# Allegro board RK_EVB7_RK3588_LP4XD200P232SD8_V11_20230111YWQ.brd (continued)
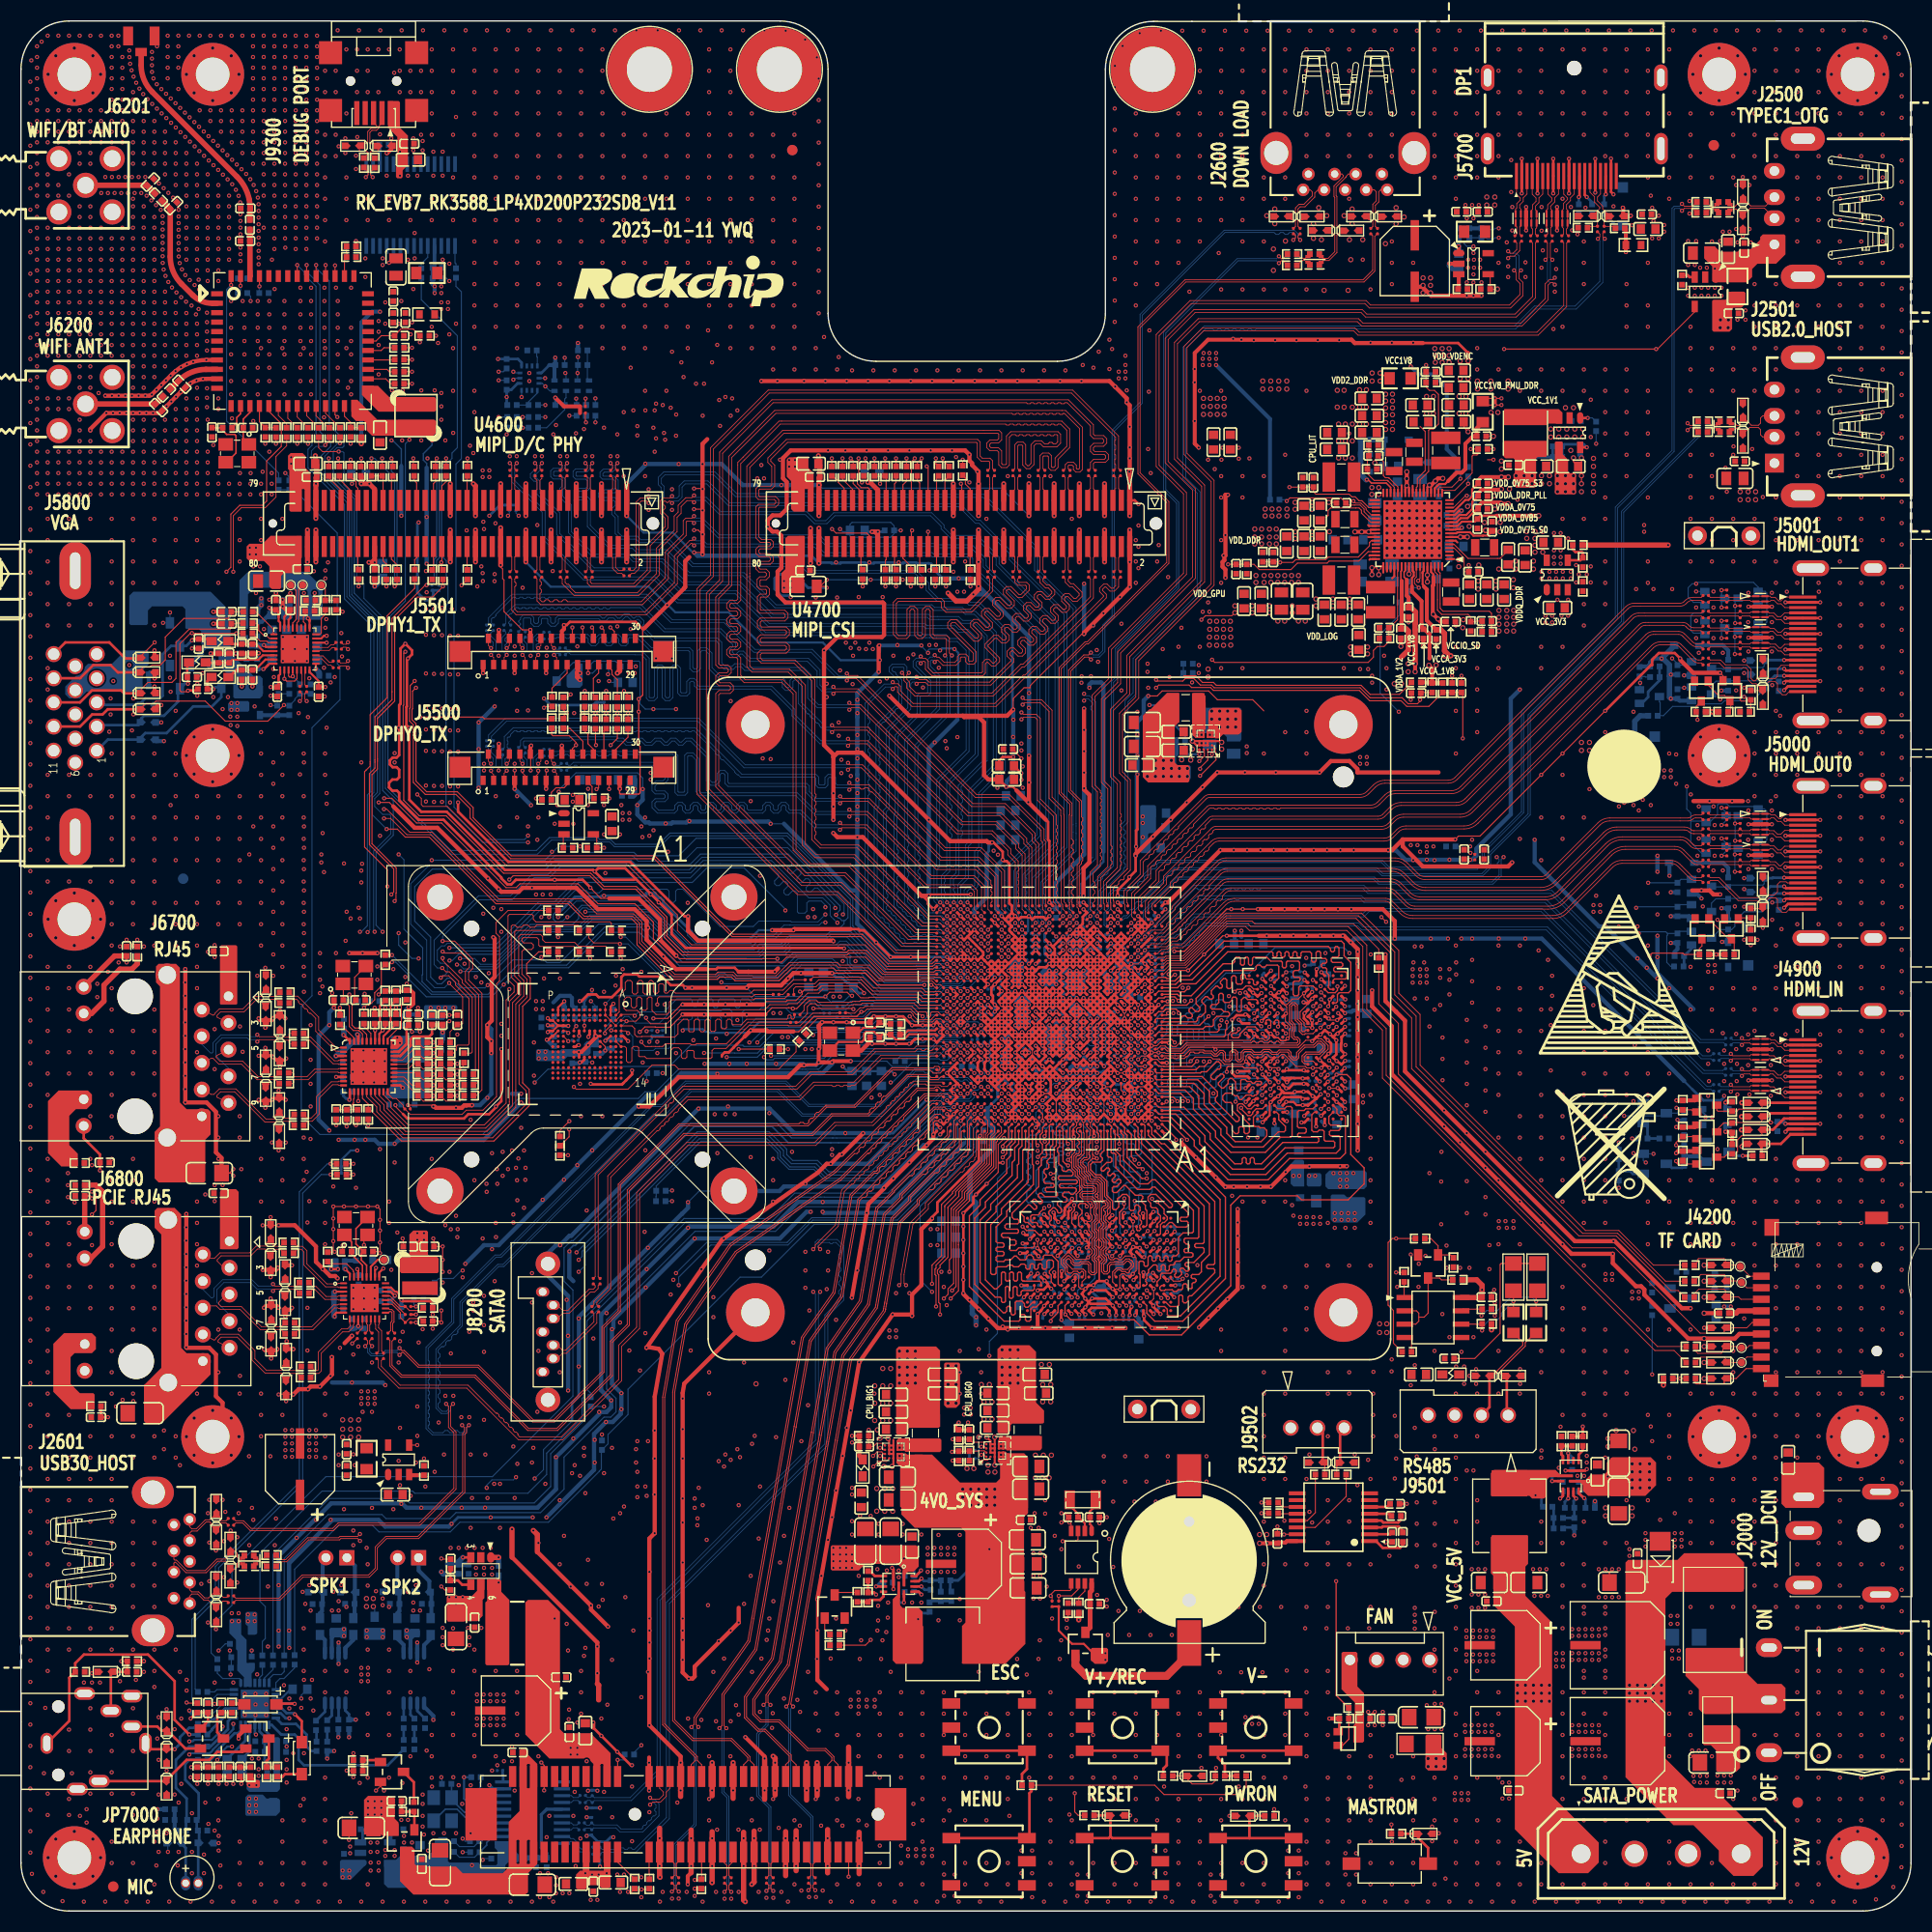
[diagram p0: board, top side]
## Routing (per net, layer and track width the routed paths; a pad name or vN(x,y) marks a point on that pad's centre or on a via; arc(x,y) is an arc through that point) (continued)
  BOTTOM w0.254: v1(85.75,31.66) 85.98,31.43 86.58,31.43 R2008.1 R2005.2 R2006.2
N17721032: length 4.1
  TOP w0.254: U2000.12 85.22,31.91 85.71,32.39 v1(85.71,32.43)
  BOTTOM w0.254: v1(85.71,32.43) 85.71,32.39 85.23,31.92 C2015.1 R2007.2 R2003.1
N17721054: length 8
  TOP w0.254: v1(85.75,30.14) 85.75,30.15 85.5,30.41 U2000.9 ; v1(81.43,30.14) 81.24,30.34 R2010.1 R2009.1
  L6-S2 w0.381: v1(85.75,30.14) 85.62,30.01 81.56,30.01 v1(81.43,30.14)
  BOTTOM w0.254: v1(85.75,30.14) 85.5,30.39 C2017.1
N17721064: length 1.7
  TOP w0.254: U2000.3 81.32,31.91 80.86,32.37 R2009.2
N17721133: length 1.5
  TOP w0.254: U2000.8 v1(84.09,29.38)
  BOTTOM w0.254: v1(84.09,29.38) 83.52,29.38 R2002.1
N17721155: length 1.1
  BOTTOM w0.254: R2002.2 84.48,28.42 C2008.1
N17758514: length 3.4
  TOP w0.203: U2301.D4 U2301.D3 U2301.E3 ; U2301.D4 U2301.E4 ; U2301.D4 83.48,44.76 83.59,44.87 ; U2301.E3 U2301.E4 ; U2301.E3 84.3,43.93 ; U2301.E4 84.32,44.33 ; U2301.E4 83.88,44.66
N17758921: length 3
  TOP w0.203: U2300.D4 93.14,44.76 ; U2300.D4 U2300.E4 ; U2300.D4 U2300.D3 U2300.E3 ; U2300.E3 U2300.E4 ; U2300.E3 93.82,44.06 ; U2300.E4 93.54,44.78 ; U2300.E4 93.97,44.46
N17759951: length 3.4
  TOP w0.203: U2303.E4 112.23,112.47 112.32,112.56 ; U2303.E4 U2303.D4 ; U2303.E4 111.82,112.22 111.79,112.18 ; U2303.E4 U2303.E3 ; 111.66,112.05 111.89,111.82 U2303.D4 ; U2303.D4 U2303.D3 U2303.E3 ; U2303.E3 112.63,112.51
N17830134: length 2.6
  TOP w0.104: TP5800.1 28.98,125.9 R5807.1 R5809.1
N17854631: length 2.7
  TOP w0.091: C8109.2 71.22,3.38 71.22,4.53 70.82,4.94 U8100.B23
N17854639: length 2.7
  TOP w0.091: C8110.2 71.42,3.38 71.42,4.5 71.82,4.91 U8100.B24
N17854686: length 2.7
  TOP w0.091: C8111.2 75.22,3.38 75.22,4.47 74.82,4.87 U8100.B27
N17854696: length 2.7
  TOP w0.091: C8112.2 75.42,3.38 75.42,4.44 75.82,4.84 U8100.B28
N17998442: length 3.4
  TOP w0.104: R5008.2 v1(163.22,100.62) ; R5007.2 v1(163.22,98.98)
  BOTTOM w0.104: v1(163.22,98.98) 163.22,100.62 v1(163.22,100.62) 163.22,100.89 Q5003.3
N17998526: length 3
  TOP w0.104: v1(161.95,105.07) R5010.2 ; v1(161.95,103.42) R5009.2
  BOTTOM w0.104: v1(161.95,103.42) 162.39,103.86 Q5004.3 162.39,104.63 v1(161.95,105.07)
N17998528: length 3.5
  TOP w0.104: R5011.2 v1(163.25,101.92) ; R5012.2 v1(163.24,103.57)
  BOTTOM w0.104: Q5005.3 163.24,104.01 v1(163.24,103.57) 163.25,103.56 v1(163.25,101.92)
N17998530: length 3
  TOP w0.104: v1(161.95,100.5) R5013.2 ; v1(161.95,102.14) R5014.2
  BOTTOM w0.104: v1(161.95,100.5) 162.39,100.94 Q5006.3 162.39,101.71 v1(161.95,102.14)
N18004313: length 3.4
  TOP w0.104: R5028.2 v1(163.22,121.35) ; R5027.2 v1(163.22,119.7)
  BOTTOM w0.104: Q5009.3 163.22,121.62 v1(163.22,121.35) 163.22,121.34 v1(163.22,119.7)
N18004325: length 2.9
  TOP w0.104: R5029.2 v1(161.95,124.15) ; R5030.2 v1(161.95,125.79)
  BOTTOM w0.104: v1(161.95,125.79) 161.95,125.32 Q5010.3 161.95,124.7 v1(161.95,124.15)
N18004327: length 3.5
  TOP w0.104: R5032.2 v1(163.24,124.29) ; R5031.2 v1(163.25,122.65)
  BOTTOM w0.104: Q5011.3 163.24,124.74 v1(163.24,124.29) 163.25,124.29 v1(163.25,122.65)
N18004333: length 2.9
  TOP w0.104: R5034.2 v1(161.95,122.87) ; R5033.2 v1(161.95,121.23)
  BOTTOM w0.104: v1(161.95,122.87) 161.95,122.53 Q5012.3 161.95,121.9 v1(161.95,121.23)
N18031326: length 4.9
  TOP w0.104: U6700.31 34.92,83.07 35.84,83.99 36.12,83.99 36.22,84.09 36.22,86.28 R6720.1
N18110066: length 0.9
  TOP w0.254: U1000.AF20 v1(95.99,90.2)
  BOTTOM w0.254: v1(95.99,90.2) 95.79,90.41 C1600.1
N18110122: length 1
  TOP w0.254: U1000.AF19 v1(96.64,90.2)
  BOTTOM w0.254: v1(96.64,90.2) 96.8,90.2 C1608.1
N18169701: length 21.7
  TOP w0.104: U6200.50 v1(20.01,154.85)
  BOTTOM w0.104: v1(20.01,154.85) 19.58,154.43 19.58,141.9 24.54,136.95 R6230.1
N18169749: length 5.7
  TOP w0.152: C6204.1 18.2,141.26 R6200.1 19.2,141.01 19.58,140.63 20.35,140.63 20.47,140.5 20.47,138.85 19.6,137.98 Y6200.3
N18169751: length 4.1
  TOP w0.152: U6200.14 21.81,142.73 21.17,142.08 C6207.1 21.17,140.21 Y6200.1
N18169794: length 2.4
  TOP w0.152: R6200.2 20.55,141.71 20.55,142.23 20.91,142.59 U6200.13
N18176299: length 1.6
  TOP w0.104: U6200.47 v1(22.71,154.73)
  BOTTOM w0.104: R6204.1 22.69,154.71 v1(22.71,154.73)
N18262694: length 1.9
  BOTTOM w0.076: R8122.1 53.05,10.52 52.6,10.52 52.41,10.34 U8102.14
N18262695: length 1.9
  BOTTOM w0.076: R8123.1 53.05,10.8 52.6,10.8 52.41,10.99 U8102.13
N18396694: length 2.4
  TOP w0.254: v1(149.21,142.19) U2302.1
  BOTTOM w0.104: C2329.1 148.85,142.19 v1(149.21,142.19) 149.66,142.19 R2304.2
N18396710: length 4.2
  TOP w0.254: v1(149.12,139.39) U2302.5
  BOTTOM w0.254: C2320.2 R2305.2 146.98,139.68 R2307.1 148.84,139.68 v1(149.12,139.39)
N18397975: length 3.6
  TOP w0.203: Y2400.1 99.87,38.63 100.68,37.82 C2402.1 100.74,37.51 101.32,36.93 U2400.2
N18397988: length 3.1
  TOP w0.104: U2400.7 101.32,30.46 100.74,29.89 R2410.1 R2400.1
N18397997: length 3.3
  TOP w0.203: U2400.1 101.97,36.67 101.81,36.82 C2400.1 101.81,38.07 102.37,38.63 Y2400.2
N18398011: length 14.1
  TOP w0.762: J2400.1 111.25,24.53 109.12,22.39 101.44,22.39 100.42,23.41 D2400.1
N18441687: length 1.7
  BOTTOM w0.254: R2102.1 144.81,38.64 C2103.2 v1(144.24,39.6)
N18441691: length 2.1
  BOTTOM w0.254: 145.97,37.42 C2105.1 ; 145.97,37.42 145.97,38.37 R2102.2 ; 145.97,37.42 R2104.1
N18441705: length 3.9
  TOP w0.254: U2100.11 147.85,39.54 148.1,39.28 v1(148.11,39.28)
  BOTTOM w0.254: R2104.2 R2103.2 R2106.1 147.87,38.46 147.87,39.05 v1(148.11,39.28)
N18441762: length 5.1
  TOP w0.254: U2100.12 148.35,39.81 148.84,39.32 v1(148.88,39.32)
  BOTTOM w0.254: R2139.2 149,39.21 v1(148.88,39.32) 148.84,39.32 148.36,39.8 C2111.1 149.32,39.98 R2105.1 150.59,40.03 R2101.1
N18441770: length 13.5
  TOP w0.254: R2108.1 R2107.1 v1(148.74,46.14) ; U2100.9 146.85,39.54 146.6,39.28 v1(146.58,39.28)
  L3-POWER1 w0.762: v1(148.74,46.14) 147.85,46.14 145.69,43.98 145.69,42.84 144.93,42.08 144.93,40.55 146.2,39.28 v1(146.58,39.28)
  BOTTOM w0.254: v1(146.58,39.28) 146.84,39.54 C2113.1
N18441780: length 1.6
  TOP w0.254: R2107.2 148.74,43.86 148.35,43.46 U2100.3
N18441788: length 2.5
  TOP w0.254: R2108.2 R2109.1 146.71,43.47 146.85,43.34 U2100.6
N18441798: length 1.5
  TOP w0.254: U2100.8 v1(145.82,40.94)
  BOTTOM w0.254: R2100.1 145.82,41.51 v1(145.82,40.94)
N18441806: length 1.1
  BOTTOM w0.254: C2103.1 144.86,40.55 R2100.2
N18556447: length 1.2
  TOP w0.089: U1000.AL14 100.22,93.78 v1(100.54,94.1)
  BOTTOM w0.089: TP1400.1 101.01,93.64 v1(100.54,94.1)
N18995711: length 1.4
  TOP w0.381: R4917.1 162.41,77.07 v1(162.33,77)
  BOTTOM w0.381: D4901.2 162.33,76.55 v1(162.33,77)
N19100594: length 1.3
  TOP w0.084: R2602.2 121.97,157.2 122.27,157.2 122.45,157.02 L2600.1
N19100602: length 1.3
  TOP w0.084: L2600.3 122.5,157.57 122.33,157.4 121.91,157.4 R2605.2
N19136960: length 19.2
  TOP w0.089: U1000.N30 89.82,82.08 v1(90.14,81.75)
  TOP w0.104: R1107.1 v1(73.05,82.08)
  L6-S2 w0.086: v1(90.14,81.75) 89.95,81.75 89.63,82.08 87.79,82.08
  L6-S2 w0.089: 86.42,82.08 86.42,82.08 87.79,82.08
  L6-S2 w0.104: 86.42,82.08 84.48,82.08 83.59,82.97 80.89,82.97 80.4,82.48 73.45,82.48 v1(73.05,82.08)
N19283910: length 3.5
  TOP w0.254: R2311.2 147.78,129.68 148.04,129.42 148.64,129.42 148.74,129.33 R2350.1 148.5,128.64 U2305.4
N19288472: length 2.4
  TOP w0.104: Q5015.1 163.65,94.59 R5016.1 R5015.2
N19289165: length 4.6
  TOP w0.104: Q5016.1 160.74,94.47 162.62,92.59 Q5015.3 163.16,92.33 R5019.1
N19293276: length 4.3
  TOP w0.089: 163.68,116.88 Q5020.1
  TOP w0.104: R5037.2 164.74,114.34 R5036.1 164.48,115.35 164.36,115.23 163.83,115.23 163.73,115.33 163.73,116.83 163.68,116.88
N19293364: length 4.3
  TOP w0.104: Q5014.1 160.68,116.75 161.67,115.76 162.25,115.76 Q5020.3 162.84,115.17 162.84,114.47 R5035.1
N19366700: length 0.9
  TOP w0.089: U1000.G8 v1(104.44,77.85)
  BOTTOM w0.089: R1202.1 104.29,78 v1(104.44,77.85)
N19485176: length 1.2
  TOP w0.084: L2501.2 161.51,141.52 160.98,141.52 R2507.1
N19485182: length 1.2
  TOP w0.084: R2509.1 161,141.23 161.49,141.23 L2501.4
N19866847: length 1.3
  TOP w0.104: R2323.1 51.65,102.48 U2306.3
N20178852: length 14.1
  TOP w0.086: 75.34,84.5 74.77,83.93 R1317.1
  TOP w0.089: 75.34,84.5 75.83,84.99 75.99,84.99 75.99,84.99 80.28,84.99 80.92,85.64 84.71,85.64 84.96,85.39 84.96,85.29 85.37,84.88 86.64,84.88 87.09,85.33 U1000.V34
N20178858: length 7.9
  TOP w0.089: U1000.Y32 88.52,86.63 v1(88.19,86.95)
  BOTTOM w0.086: R1314.1 81.09,86.23 87.47,86.23 v1(88.19,86.95)
N20178860: length 11.1
  TOP w0.089: U1000.AA32 88.52,87.28 v1(88.19,87.6)
  BOTTOM w0.086: R1315.1 78.49,86.15 78.99,86.65 81.18,86.65 81.31,86.52 87.11,86.52 v1(88.19,87.6)
N20178864: length 10.7
  TOP w0.086: R1316.1 78.8,85.55 78.8,85.55
  TOP w0.089: U1000.V33 87.64,85.33 87.34,85.62 86.75,85.62 86.64,85.52 86.64,85.24 86.54,85.14 86.39,85.14 86.29,85.24 86.29,85.52 86.18,85.62 85.38,85.62 84.86,86.15 80.36,86.15 80.23,86.02 79.91,86.02 79.4,85.51 78.84,85.51 78.8,85.55
N20178868: length 16.2
  TOP w0.086: 80.04,88.69 75.97,88.69 75.59,88.31 73.59,88.31 72.57,87.29 R1318.1
  TOP w0.089: 80.04,88.69 81.11,87.61 85.69,87.61 86.02,87.28 U1000.AA34
N20227289: length 3.2
  BOTTOM w0.076: R8105.1 53.78,5.91 53.34,5.91 53.11,6.14 53.11,6.4 52.61,6.9 52.35,6.9 52.16,7.09 U8102.19
N20227291: length 3.2
  BOTTOM w0.076: R8104.1 53.74,5.63 53.22,5.63 52.83,6.02 52.83,6.28 52.49,6.62 52.33,6.62 52.14,6.44 U8102.20
N20227382: length 1.8
  BOTTOM w0.076: U8102.18 52.41,7.74 52.6,7.92 52.95,7.92 R8111.1
N20227385: length 1.8
  BOTTOM w0.076: R8116.1 52.95,8.2 52.6,8.2 52.41,8.39 U8102.17
N20440419: length 4.4
  TOP w0.528: C6208.2 21.8,160.15 C6209.1 21.81,159.04 U6200.48
N20440459: length 20
  TOP w0.528: ANT6200.1 11.44,175.79 arc(11.71,174.41) 12.49,173.25 20.57,165.17 arc(21.31,164.17) 21.73,163.01 arc(21.8,162.58) C6210.1 21.8,162.14 C6208.1
N20457483: length 2.2
  BOTTOM w0.104: U9300.1 41.33,156.97 41.43,156.88 R9300.2
N20457485: length 2.4
  BOTTOM w0.104: U9300.5 38.73,157.49 38.13,156.89 R9301.2
N20464872: length 1.4
  TOP w0.381: U2600.3 136.93,154.54 R2610.1
N20498535: length 2.1
  TOP w0.104: J5501.21 v1(54.01,117.9)
  BOTTOM w0.104: v1(54.01,117.9) 54.44,117.9 R5563.2
N20501889: length 1.3
  TOP w0.084: L2601.4 22.47,33.49 23,33.49 R2612.1
N20501891: length 1.6
  TOP w0.084: R2614.2 22.17,32.89 L2601.2 22.57,33.29 22.95,33.29 R2615.1
N20502388: length 1.4
  TOP w0.381: R2619.1 37.04,41.5 U2601.3
N20527785: length 3.3
  TOP w0.254: U8103.4 42.02,31.07 41.61,31.48 R8119.2 40.89,32.59 C8127.1
N20527797: length 1.6
  TOP w0.508: U8103.1 v1(45.49,33.67)
  BOTTOM w0.508: C8123.1 v1(45.49,33.67)
N20527799: length 0.7
  BOTTOM w0.508: C8123.2 v1(45.49,31.28)
N20527815: length 3.6
  TOP w0.254: U8103.3 v1(42.08,33.67)
  BOTTOM w0.508: R8120.2 41.68,33.27 v1(42.08,33.67) ; R8120.2 C8126.2 ; R8120.2 R8124.1
N20527966: length 4
  TOP w0.254: C8131.2 R8127.2 37.41,9.46 R8133.1 37.46,9.42 Q8100.1
N20527980: length 3.3
  TOP w0.254: R8133.2 37.41,12.27 Q8101.3
N20527992: length 2.8
  TOP w0.254: R8135.1 R8134.2 34.06,14.37 Q8101.1
N20530957: length 1.6
  TOP w0.084: R2510.2 161.68,162.71 L2502.2 161.28,162.3 160.97,162.3 R2512.1
N20530963: length 1.5
  TOP w0.084: R2511.2 161.34,162.1 160.85,162.1 R2513.1
N20537702: length 2.9
  BOTTOM w0.104: U9000.1 49.17,144.57 48.34,143.74 R9006.1 R9005.2
N20537733: length 1.5
  BOTTOM w0.104: U9000.11 49.17,148 49.12,148.05 C9004.1
N20543654: length 15.4
  L6-S2 w0.508: v1(161.93,116.23) 160.68,116.23 157.4,112.94 155.98,112.94 v1(153.7,110.66)
  BOTTOM w0.381: R5021.1 v1(161.93,116.23) ; v1(153.7,110.66) D5004.2
  BOTTOM w0.508: R5024.1 154.2,113.83 153.7,113.32 D5004.2
N20810704: length 61
  TOP w0.104: v1(86.51,127.68) 86.56,127.72 R4729.1 87.19,127.83 U4700.48
  L3-POWER1 w0.104: v1(54.7,144.06) 54.18,144.58 53.51,144.58 53.37,144.44 53.37,142.13 50.7,139.46 50.7,136.25 50.86,136.09 50.86,135.77 50.57,135.48 50.57,133.39 50.95,133.01 50.95,131.36 50.57,130.98 50.57,128.95 50.95,128.56 50.95,127.93 v1(50.63,127.61)
  L6-S2 w0.104: v1(86.51,127.68) 72.67,127.68 71.13,126.14 62.76,126.14 62.62,126.28 59.5,126.28 58.17,127.61 v1(50.63,127.61)
  BOTTOM w0.104: R4753.1 v1(54.7,144.06)
N20810812: length 53.4
  TOP w0.104: v1(88.8,127.55) 88.26,127.55 R4727.1 87.99,127.82 U4700.46
  L3-POWER1 w0.104: v1(90.32,136.06) 90.32,135.68 89.43,134.79 89.43,128.18 v1(88.8,127.55)
  L6-S2 w0.104: v1(54.7,141.77) 54.91,141.77 55.22,142.07 60.7,142.07 60.76,142.14 64.3,142.14 64.64,141.8 65.83,141.8 65.85,141.82 66.78,141.82 67.27,141.33 88.22,141.33 90.83,138.72 90.83,137.45 90.32,136.95 v1(90.32,136.06)
  BOTTOM w0.104: R4752.1 v1(54.7,141.77)
N20810918: length 75.5
  TOP w0.104: R4654.1 30.96,71.16 v1(31.65,71.16) ; U4600.46 40.08,128.49 v1(40.03,128.44) 40.03,127.87 R4623.1
  L3-POWER1 w0.104: v1(31.65,71.16) 28.32,74.49 28.32,86.94 28.09,87.16 28.09,101.04 29.36,102.3 29.36,103.8 31.27,105.7 31.27,117.43 28.58,120.12 28.58,125.87 29.36,126.66 29.36,127.3 v1(28.98,127.68)
  L6-S2 w0.104: v1(40.03,128.44) 39.78,128.69 35.1,128.69 34.08,127.68 v1(28.98,127.68)
N20810927: length 75.2
  TOP w0.104: U4600.48 39.28,127.83 R4625.1 38.68,127.72 v1(38.57,127.61) ; R4653.1 v1(31.65,70.14)
  L3-POWER1 w0.104: v1(28.98,126.91) 28.34,126.28 28.34,119.97 31.04,117.28 31.04,105.82 29.11,103.89 29.11,102.38 27.86,101.13 27.86,86.88 28.09,86.66 28.09,74.09 31.65,70.53 v1(31.65,70.14)
  L6-S2 w0.104: v1(28.98,126.91) 29.49,127.42 34.19,127.42 35.2,128.44 37.74,128.44 v1(38.57,127.61)
N20929060: length 2.4
  TOP w0.104: U4600.60 34.48,128.6 34.8,128.29 R4652.1
N21016906: length 4.1
  TOP w0.203: R1101.1 81.88,84.5 81.76,84.62 81.56,84.43 81.56,84.32 81.36,84.11 80.22,84.11 79.78,83.68 79.78,83.64 Y1100.1
N21139775: length 8.2
  TOP w0.104: v1(54.38,122.24) 54.51,122.11 J5501.22 ; R5541.1 v1(53.7,116.19)
  L3-POWER1 w0.104: v1(53.7,116.19) 54.53,117 54.53,122.09 v1(54.38,122.24)
N21252182: length 2.3
  TOP w0.104: Q2000.3 77.73,30.34 R2030.2
N21252215: length 2.8
  TOP w0.104: Q2000.1 76.55,26.83 R2032.1 R2031.2
N21575897: length 2.5
  TOP w0.381: v1(162.33,74.21) 162.9,74.21 R4914.1 R4920.1
  BOTTOM w0.381: v1(162.33,74.21) 162.33,74.66 D4900.2
N22607580: length 10.8
  TOP w0.254: 116.99,6.94 SW9204.2 ; 116.99,6.94 SW9204.3 ; 116.99,6.94 ED9202.1 117.01,9.06 R9204.2
N23213062: length 1.1
  TOP w0.089: U1000.F18 97.62,77.53 v1(97.29,77.2)
  BOTTOM w0.089: R1203.1 97.5,77.2 v1(97.29,77.2)
N23947332: length 2.8
  BOTTOM w0.254: Q4900.1 154.91,74.63 R4911.1 R4908.2
N24141374: length 1.5
  TOP w0.119: U1000.H7 104.77,78.18 v1(105.09,77.85)
  BOTTOM w0.089: R1201.1 105.05,77.89 v1(105.09,77.85)
N24452184: length 2.3
  TOP w0.107: U4000.H5 v1(53.65,84.31)
  BOTTOM w0.104: R4003.2 R4004.1
  BOTTOM w0.107: R4004.1 53.64,84.32 v1(53.65,84.31)
N24510074: length 3.9
  BOTTOM w0.381: D5007.2 159.92,120.56 162.07,120.56 162.6,120.04 162.6,119.61 162.59,119.6 R5039.1
N24731207: length 3.4
  BOTTOM w0.381: R4912.2 R4915.1 159.81,71.86 160.32,71.35 Q4901.1
N25391296: length 7.4
  TOP w0.254: Q7000.2 15.65,15.47 13.94,17.19 ED7002.1 13.36,17.19 12.98,17.57 JP7000.2
N25391335: length 1.1
  BOTTOM w0.254: R7026.2 28.14,17.17 C7026.1
N25391469: length 15.3
  TOP w0.254: JP7000.3 13.84,12.37 ED7003.1 13.85,12.47 15.77,14.39 17.93,14.39 18.69,15.15 21.08,15.15 Q7001.2
N25391485: length 2
  TOP w0.254: R7010.2 C7016.1 R7011.1
N25391524: length 3.9
  TOP w0.254: R7018.2 23.58,13.7 23.49,13.79 R7020.1 23.39,14.29 23.6,14.5 Q7001.3
N25391526: length 4
  TOP w0.254: R7017.2 R7021.1 18.95,18.89 18.69,18.64 18.69,17.02 Q7000.3
N25391783: length 1.1
  BOTTOM w0.254: R7031.2 C7032.1
N25391930: length 2.1
  BOTTOM w0.381: R7016.1 14.63,7.85 C7018.1 R7013.2
N25392255: length 3.1
  BOTTOM w0.254: C7007.1 18.18,18.26 18.41,18.26 19.43,19.28 U7000.24
N25392257: length 4.1
  BOTTOM w0.254: C7009.1 18.06,15.66 19.71,17.31 19.71,18.07 20.01,18.38 U7000.22
N25392262: length 5
  BOTTOM w0.254: U7000.21 20.93,17.19 20.67,16.93 20.34,16.93 18.94,15.53 18.6,15.19 18.6,14.93 18.51,14.85 18.51,14.85 18.24,14.58 18.24,14.57 18.06,14.39 C7010.1
N25392270: length 3.6
  BOTTOM w0.254: U7000.19 21.83,17.01 21.74,16.93 21.74,15.17 C7012.1
N25392272: length 2
  BOTTOM w0.203: U7000.10 24.73,20.18 25.68,21.12 C7013.1
N25392276: length 4
  BOTTOM w0.254: U7000.20 21.38,17.1 21.36,17.09 21.36,16.21 C7011.1
N25392529: length 3.2
  BOTTOM w0.104: U7000.1 20.93,22.03 20.82,22.14 19.2,22.14 18.69,22.65 R7002.2
N25392543: length 1.8
  BOTTOM w0.104: U7000.5 22.73,22.23 22.99,22.49 R7003.2
N25392545: length 2.1
  BOTTOM w0.104: R7004.2 24,23 23.18,22.17 U7000.6
N25392559: length 2.8
  BOTTOM w0.104: U7000.7 23.63,22.12 24.03,22.52 24.79,22.52 25.07,22.8 R7005.2
N25392573: length 3.4
  BOTTOM w0.104: R7006.2 26.06,23.15 25.04,22.14 24.66,22.14 24.28,21.75 U7000.8
N25392575: length 2.6
  BOTTOM w0.104: U7000.28 18.65,21.08 18.44,20.87 R7007.2
N25392589: length 2.8
  BOTTOM w0.104: U7000.27 18.71,20.63 17.93,19.85 R7008.2
N25392640: length 1.2
  TOP w0.254: R7017.1 20.6,19.79 20.71,19.68 C7019.2
N25392698: length 2.4
  TOP w0.254: R7018.1 24.91,12.8 25.15,13.03 C7021.2
N25392926: length 3.4
  BOTTOM w0.254: C7008.1 18.18,17.24 18.18,17.31 19.7,18.83 U7000.23
N25392986: length 2
  BOTTOM w0.254: U7001.4 28.95,18.97 C7026.2
N25392988: length 1.1
  BOTTOM w0.254: R7025.2 C7025.1
N25392990: length 1.8
  BOTTOM w0.254: U7001.3 29.6,18.61 C7025.2
N25392994: length 1.6
  BOTTOM w0.254: U7001.2 30.25,18.24 C7024.2
N25393014: length 2
  BOTTOM w0.381: U7001.8 30.9,25.07 31.65,25.82 L7000.1
N25393016: length 1.9
  BOTTOM w0.381: U7001.5 28.95,25.82 L7001.1
N25393095: length 1.8
  BOTTOM w0.254: U7002.2 37.74,19.06 C7030.2
N25393112: length 1.5
  BOTTOM w0.254: C7032.2 36.45,19.78 U7002.4
N25393114: length 1.1
  BOTTOM w0.254: R7030.2 C7031.1
N25393116: length 1.6
  BOTTOM w0.254: C7031.2 37.09,18.7 U7002.3
N25393126: length 2
  BOTTOM w0.381: L7002.1 39.01,25.95 38.39,25.32 U7002.8
N25393128: length 2
  BOTTOM w0.381: U7002.5 36.44,25.35 35.84,25.95 L7003.1
N25393326: length 10.3
  TOP w0.254: Q7000.1 17.81,18.09 C7023.1 R7023.1 16.73,18.84 16.66,18.84 v1(16.15,18.33)
  TOP w0.381: v1(20.73,16.42) 20.73,16.7 Q7001.1
  L6-S2 w0.381: v1(20.73,16.42) 18.82,16.42 16.92,18.33 v1(16.15,18.33)
N25499961: length 2.7
  TOP w0.104: U4700.39 90.39,135.45 89.94,135.9 89.94,136.49 R4724.2
N25504330: length 2.5
  TOP w0.104: U4700.45 87.99,136.27 R4726.2
N25504332: length 2.4
  TOP w0.104: R4728.2 87.19,136.48 U4700.47
N25504408: length 2.4
  TOP w0.104: R4732.2 85.35,136.25 85.59,136 U4700.51
N25507326: length 2.6
  TOP w0.104: U4700.65 79.99,135.21 79.25,135.95 R4736.2
N25509379: length 2.5
  TOP w0.104: R4622.2 40.49,136.13 40.08,135.73 U4600.45
N25509383: length 2.4
  TOP w0.104: U4600.47 39.28,135.94 39.47,136.13 R4624.2
N25509701: length 2.4
  TOP w0.104: R4628.2 37.44,136.25 37.68,136 U4600.51
N25509820: length 2.4
  TOP w0.104: U4700.57 83.19,135.91 83.34,136.06 R4735.2
N25577566: length 2.7
  TOP w0.104: U4700.67 79.19,135.41 78.24,136.36 R4738.2
N25577570: length 2.9
  TOP w0.104: U4700.69 78.39,135.5 77.82,136.08 77.82,136.17 77.31,136.67 R4739.2
N25578810: length 2.9
  TOP w0.104: R5510.2 50.51,106.54 50.95,106.97 51.71,106.97 52.01,107.27 J5500.17
N25578833: length 6.7
  TOP w0.104: v1(54.81,106.85) 54.89,106.85 55.01,106.97 J5500.23 ; R5515.2 54.71,111.09 v1(54.76,111.04)
  L3-POWER1 w0.104: v1(54.76,111.04) 54.81,110.99 v1(54.81,106.85)
N25578836: length 2.5
  TOP w0.104: R5516.1 55.51,112.38 J5500.24
N25578897: length 6.9
  TOP w0.104: v1(56.16,111.04) 56.79,111.67 R5517.2 ; J5500.25 v1(56.01,106.85)
  L3-POWER1 w0.104: v1(56.16,111.04) 56.01,110.89 v1(56.01,106.85)
N25578906: length 3
  TOP w0.104: J5500.26 56.51,110.5 57.81,111.8 R5518.1
N25580609: length 2
  TOP w0.104: R5513.2 54.39,106.13 54.39,107.09 54.01,107.47 J5500.21
N25892898: length 11
  TOP w0.254: SW9202.3 SW9202.2 114,14.59 114.65,13.94 R9202.2 R9203.1
N25892934: length 34.6
  TOP w0.104: R9203.2 116.68,11.79 115.98,11.09 108.86,11.09 107.98,11.98 R9205.1
  TOP w0.254: SW9203.3 SW9203.2 96.04,7.17 96.04,11.22 96.23,11.41 R9205.1
N25892972: length 10.7
  TOP w0.254: SW9205.2 SW9205.3 95.8,13.52 95.33,13.05 R9205.2
N26112788: length 4.3
  BOTTOM w0.381: R5018.1 162.6,98.44 162.6,99.32 162.59,99.32 162.59,99.35 162.1,99.84 D5002.2
N26380646: length 4.9
  TOP w0.254: SW9206.1 134.01,6.01 133.07,6.95 ED9203.1 133.05,7.36 R9206.2
N26649087: length 3.6
  BOTTOM w0.254: R4921.1 R4918.2 153.25,70.47 153.5,70.21 Q4903.1
N26649586: length 2.4
  TOP w0.254: R4910.1 v1(163.98,71.92)
  BOTTOM w0.254: v1(163.98,71.92) 163.05,71.92 Q4901.3
N26651308: length 1.9
  BOTTOM w0.254: R4915.2 158.21,70.78 157.23,70.78 156.85,71.16 Q4903.3
N28022632: length 7
  TOP w0.528: J6201.1 11.99,164.35 C6206.1 12,164.31 C6203.1
N28022638: length 12.6
  TOP w0.528: C6203.2 C6205.1 14.21,157.55 arc(14.49,156.15) 15.28,154.96 16.37,153.88 arc(17.21,153.32) 18.2,153.12 U6200.2
N28023202: length 7.7
  TOP w0.528: C6200.1 12.78,143.51 C6202.1 12.76,143.53 J6200.1
N28023206: length 5.1
  TOP w0.528: U6200.9 17.63,146.82 arc(16.21,146.54) C6201.1 14.18,144.91 C6200.2
N28070862: length 3.8
  TOP w0.254: C9513.2 131.6,34.84 131.34,34.58 129.69,34.58 129.05,35.23 U9502.1
N28070864: length 3.5
  TOP w0.254: C9513.1 131.6,36.24 131.22,36.62 129.69,36.62 129.61,36.53 U9502.3
N28070870: length 2.2
  TOP w0.254: U9502.2 130.41,35.88 C9515.2
N28070872: length 3.5
  TOP w0.254: C9516.2 131.41,37.25 131.16,37 129.75,37 129.57,37.18 U9502.4
N28070874: length 2.2
  TOP w0.254: C9516.1 130.31,37.83 U9502.5
N28070880: length 2.1
  TOP w0.254: C9517.2 130.09,38.48 U9502.6
N28070896: length 8
  TOP w0.104: R9519.1 126.21,39.48 123.26,36.53 U9502.14
N28070898: length 5.7
  TOP w0.104: U9502.13 122.51,37.18 123.27,37.94 R9520.1
N28070949: length 1.8
  TOP w0.104: U9502.12 119.78,37.83 R9521.1
N28070963: length 2
  TOP w0.104: U9502.11 120.15,38.48 R9522.1
N28074016: length 10.9
  TOP w0.104: R9510.1 v1(144.3,58.08) 144.3,58.94 R9513.1 ; U9501.7 137.31,57.32 R9516.1 139.15,56.74 v1(139.09,56.68)
  BOTTOM w0.104: v1(139.09,56.68) 139.6,57.19 140.61,57.19 141.88,58.46 143.92,58.46 v1(144.3,58.08)
N28074018: length 9.1
  TOP w0.104: R9512.1 v1(142.14,58.08) R9514.1 ; v1(139.15,55.29) R9509.2 139.12,55.89 U9501.6
  BOTTOM w0.104: v1(142.14,58.08) 141,56.94 141,56.68 140.61,56.3 139.85,56.3 139.15,55.6 v1(139.15,55.29)
N28074020: length 1.5
  TOP w0.104: R9511.2 131.72,58.5 U9501.1
N28074022: length 1.9
  TOP w0.104: R9515.2 132.43,54.51 132.32,54.62 U9501.4
N28074024: length 10.4
  TOP w0.104: U9501.2 132.9,57.16 133.12,56.94 133.12,56.56 ; R9508.2 135.28,60.11 135.11,60.28 Q9500.3 134.01,56.94 133.63,56.56 133.12,56.56 ; 133.12,56.56 133.12,56.17 132.83,55.89 U9501.3
N28074040: length 4
  TOP w0.104: R9517.2 134.26,64.05 134.96,63.35 Q9500.1 136.15,62.48 R9518.1
N28074092: length 15.5
  TOP w0.104: R9513.2 R9514.2 140.97,61.67 140.87,61.57 140.87,55.03 138.46,52.62 C9511.1
N28074142: length 9.9
  TOP w0.104: R9510.2 144.19,55.05 143.26,54.12 143.26,53.79 140.85,51.39 140.85,51.24 141.14,50.95 ED9501.1
  TOP w0.254: J9501.1 141.5,47.35 ED9501.1
N28074144: length 10.1
  TOP w0.104: R9512.2 143.03,54.16 143.03,53.89 140.57,51.44 140.57,51.31 140.25,50.99 ED9500.1
  TOP w0.254: ED9500.1 139.85,47.98 J9501.2
N28755343: length 2.9
  BOTTOM w0.104: R9003.2 C9001.1 53.94,145.93 CON9000.4
N30846647: length 9.2
  TOP w0.104: v1(53.47,122.24) 53.51,122.2 J5501.20 ; R5554.1 52.06,115.58 v1(52.35,115.86)
  L3-POWER1 w0.104: v1(52.35,115.86) 52.48,115.86 53.62,117.01 53.62,118.15 54,118.53 54,121.33 53.47,121.85 v1(53.47,122.24)
N31058453: length 2.7
  TOP w0.104: U4600.67 31.28,135.41 30.33,136.36 R4640.2
N31058456: length 2.8
  TOP w0.104: R4641.2 29.31,136.49 30.48,135.32 U4600.69
N31117704: length 2.4
  TOP w0.104: U5800.3 23.55,120.79 23.39,120.94 22.78,120.94 R5808.1
N31118079: length 2.9
  TOP w0.089: U5800.24 28.48,121.59 28.6,121.71
  TOP w0.104: R5807.2 28.98,123.48 28.6,123.1 28.6,121.71
N31118123: length 1.8
  TOP w0.104: U5800.26 27.08,122.6 26.9,122.78 26.9,123.21 27.07,123.38 R5810.2
N31118167: length 4.3
  TOP w0.104: TP5801.1 26.44,125.9 26.44,122.85 26.28,122.69 U5800.28
N31118171: length 4.4
  TOP w0.104: U5800.29 25.88,122.67 26.19,122.98 26.19,125.77 TP5802.1
N31118344: length 2.8
  BOTTOM w0.381: D5800.2 22.77,113.89 R5801.1 R5800.1
N31227986: length 2.6
  TOP w0.104: U4600.65 32.08,135.5 31.9,135.68 31.9,136.12 R4626.2
N31228094: length 2.5
  TOP w0.104: R4730.2 84.33,136.17 83.99,135.82 U4700.55
N31270098: length 2.2
  TOP w0.104: R4725.1 90.39,127.76 U4700.40
N31270184: length 2.3
  TOP w0.104: U4700.52 85.59,127.88 R4733.1
N31270490: length 2.5
  TOP w0.104: U4700.56 83.99,128.83 84.74,128.08 R4731.1
N31270508: length 2.3
  TOP w0.104: U4700.58 83.19,127.89 R4734.1
N31270524: length 2.3
  TOP w0.104: U4700.66 79.99,127.91 R4737.1
N31270544: length 2.2
  TOP w0.104: R4751.1 82.32,128.62 82.39,128.69 U4700.60
N31271903: length 2.2
  TOP w0.104: R4627.1 32.08,127.82 U4600.66
N31271965: length 2.4
  TOP w0.104: U4600.58 35.28,128.74 35.81,128.21 R4631.1
N31272006: length 2.3
  TOP w0.104: R4629.1 37.49,128.69 37.68,128.88 U4600.52
